# Allegro board Swan Feather PCB v3.0.brd (continued)
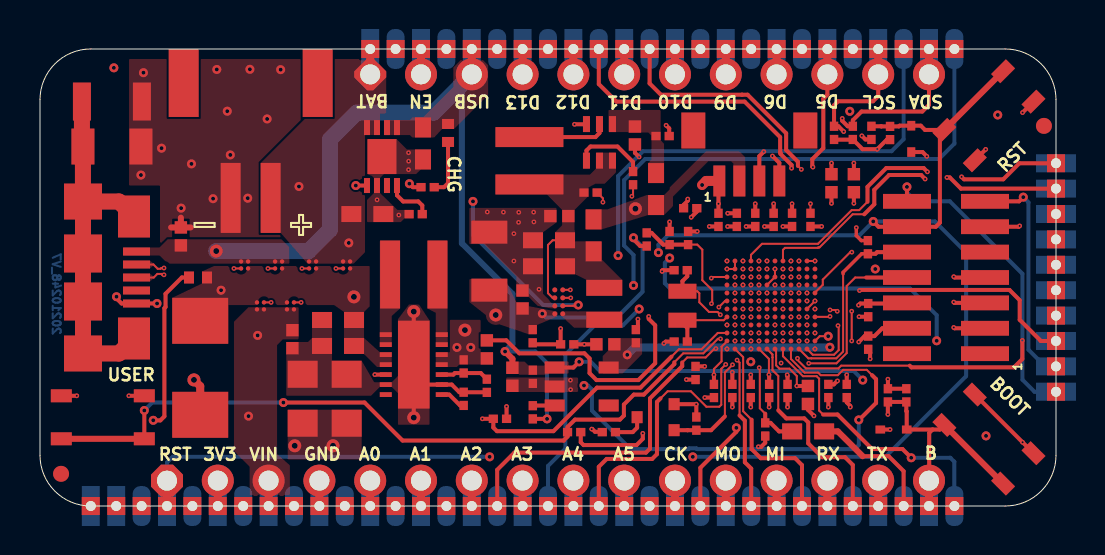
[diagram p0: board, top side]
## Routing (per net, layer and track width the routed paths; a pad name or vN(x,y) marks a point on that pad's centre or on a via; arc(x,y) is an arc through that point) (continued)
A4: length 29.3
  TOP w0.4: J2.9 PAD23.1
  GND w0.087: v3(35.04,13.36) 35.46,13.36 35.55,13.27 v1(35.55,11.86)
  GND w0.4: J2.9 PAD23.1
  INT1 w0.087: v4(33.09,14.35) 33.11,14.38 34.98,14.38 35.17,14.19 35.17,13.49 v3(35.04,13.36)
  INT1 w0.4: J2.9 PAD23.1
  INT2 w0.087: v4(33.09,14.35) 32.77,14.04 32.25,14.04 31.91,13.69
  INT2 w0.2: v4(26.8,5.43) 27.83,5.43 30.03,7.63 30.03,8.84 31.91,10.71 31.91,13.69
  INT2 w0.4: J2.9 PAD23.1
  POWER w0.2: v4(26.8,5.43) 26.67,5.3 J2.9
  POWER w0.4: J2.9 PAD23.1
  BOTTOM w0.4: J2.9 PAD23.1
A5: length 25.1
  TOP w0.4: J2.10 PAD27.1
  GND w0.4: J2.10 PAD27.1
  INT1 w0.087: v4(33.19,12.19) 33.18,12.2 33.18,12.69 33.37,12.88 33.65,12.88 34.22,12.31 34.22,11.64 35.05,10.81 35.36,10.81 35.95,11.4 v3(35.95,11.46)
  INT1 w0.4: J2.10 PAD27.1
  INT2 w0.087: 32.16,8.33 33.05,9.22 33.05,11.18 33.05,11.18 33.05,12.07 33.16,12.19 v4(33.19,12.19)
  INT2 w0.2: 32.16,8.33 31.99,8.16 31.99,6.58 29.21,3.81 J2.10
  INT2 w0.4: J2.10 PAD27.1
  POWER w0.4: J2.10 PAD27.1
  BOTTOM w0.4: J2.10 PAD27.1
A6: length 15.6
  INT1 w0.087: v3(36.35,10.66) 36.09,10.4 34.69,10.4 34.06,11.02 33.81,11.02 33.79,11.04 33.4,11.04 33.4,11.05 v4(33.37,11.05)
  INT2 w0.087: v4(33.37,11.05) 33.37,11 33.27,10.9 33.27,9.07 32.34,8.15 32.34,6.19 32.34,6.19
  INT2 w0.2: 32.34,6.19 30.48,4.33 PAD29.1
A7: length 17.1
  TOP w0.2: PAD33.1 33.02,1.92 34.82,3.71 v2(34.82,3.91)
  INT1 w0.087: v4(33.46,11.79) 33.47,11.79 33.5,11.76 33.82,11.76 34.22,11.35 34.22,11.1 34.68,10.65 35.54,10.65 v3(35.55,10.66)
  INT2 w0.087: 32.64,6.19 32.64,7.94 33.96,9.26 33.96,11.22 33.46,11.72 v4(33.46,11.79)
  INT2 w0.2: v2(34.82,3.91) 34.82,4.09 33.54,5.37 33.14,5.37 32.64,5.87 32.64,6.19
BOOT: length 30.8
  TOP w0.2: J2.16 44.46,1.28 44.46,3.66 44.63,3.83 ; PB1.2 44.99,3.83 44.63,3.83 ; v3(42.39,4.58) 42.39,5.2 C35.1 R40.2 43.32,4.75 43.34,4.73 TVS2.1 44.63,3.83
  TOP w0.3: PB1.1 PB1.2
  TOP w0.4: J2.16 PAD51.1
  GND w0.4: J2.16 PAD51.1
  INT1 w0.087: v2(35.54,7.22) 35.55,7.23 35.55,7.69 v3(35.55,8.26) ; v4(39.8,6.99) 39.8,7.14 40.53,7.88 40.97,7.88
  INT1 w0.2: v3(42.39,4.58) 42.39,7.47 41.99,7.88 40.97,7.88
  INT1 w0.4: J2.16 PAD51.1
  INT2 w0.087: v4(39.8,6.99) 38.07,6.99 38.07,6.99 35.73,6.99 35.55,7.17 35.55,7.21 v2(35.54,7.22)
  INT2 w0.4: J2.16 PAD51.1
  POWER w0.4: J2.16 PAD51.1
  BOTTOM w0.4: J2.16 PAD51.1
CS: length 40.3
  TOP w0.1: U6.A4 37.55,7.35 38.23,6.67 38.91,6.67 39.04,6.54 39.89,6.54 40.16,6.81 41.34,6.81 41.6,6.54 ; 40.96,4.31 v2(40.94,4.31)
  TOP w0.2: 40.96,4.31 41.8,5.15 41.8,6.34 41.6,6.54
  INT2 w0.2: PAD65.1 15.24,1.64 17.09,3.49 19.03,3.49 20.89,5.34 26.02,5.34 26.71,6.03 v2(27.2,6.03)
  BOTTOM w0.2: v2(27.2,6.03) 27.4,6.03 27.6,5.83 27.6,4.77 29.53,2.85 32.42,2.85 32.46,2.89 32.82,2.89 32.85,2.85 40.74,2.85 40.94,3.05 v2(40.94,4.31)
CTS: length 6.5
  TOP w0.2: PAD49.1 43.18,1.74 42.43,2.49 41.13,2.49 41.13,2.49
  TOP w0.3: 41.13,2.49 39.89,3.73 R38.2
CTS2: length 33.3
  INT1 w0.087: v3(36.75,9.06) 36.75,9 36.51,8.76 36.51,8.05 37.33,7.22 37.33,6.9 37.16,6.73 33.29,6.73 31.86,8.16 31.86,8.24
  INT1 w0.2: PAD22.1 25.4,21.01 24.83,20.44 22.82,20.44 22.48,20.09 22.48,11.42 25.46,8.44 31.66,8.44 31.86,8.24
CTS3: length 17.8
  INT1 w0.087: v4(39.81,11.35) 39.44,11.35 38.59,10.5 38.25,10.5 38.16,10.41 37.79,10.41 v3(37.55,10.66)
  INT1 w0.2: v4(35.55,17.5) 35.56,17.51 PAD38.1
  INT2 w0.087: 38.95,15.34 38.95,15.31 39.81,14.45 v4(39.81,11.35)
  INT2 w0.2: 38.95,15.34 38.95,15.59 38.94,15.6 38.94,17.19 38.63,17.5 v4(35.55,17.5)
D0: length 40.3
  TOP w0.1: U6.H1 38.75,10.67 39.14,11.07 39.14,11.33 40.51,12.7 v3(40.59,12.7)
  INT1 w0.087: v3(40.59,12.7) 40.6,12.71 40.97,12.71
  INT1 w0.2: v4(40.64,3.42) 18.47,3.42 17.78,2.73 PAD9.1 ; v4(42.31,12.13) 42.12,12.32 41.57,12.32 41.18,12.71 40.97,12.71
  INT2 w0.2: v4(42.31,12.13) 42.5,11.94 42.5,5.17 40.75,3.42 v4(40.64,3.42)
D1: length 39.8
  GND w0.087: v3(38.46,11.81) 38.42,11.77 38.42,11.74 38.35,11.67 v1(38.35,10.66)
  INT1 w0.087: 40.97,13.01 40.95,13.01 40.93,13.03 39.68,13.03 v3(38.46,11.81)
  INT1 w0.2: 40.97,13.01 41.4,13.01 41.78,12.63 42.71,12.63 42.91,12.43 v4(42.91,12.13) ; PAD12.1 20.36,0.04 20.36,2.31 20.94,2.89 40.82,2.89 v4(41.36,3.43)
  INT2 w0.2: v4(42.91,12.13) 42.91,4.98 v4(41.36,3.43)
D2: length 21.6
  TOP w0.1: v3(33.8,7.87) 33.73,7.87 33.28,7.43 32.36,7.43 32.11,7.18
  TOP w0.2: 32.11,7.18 32.11,7 30.5,5.39 30.5,2.87 30.3,2.67 23.72,2.67 22.86,1.81 PAD18.1
  GND w0.087: v1(36.75,11.06) 36.75,10.6 36.32,10.17 36.32,9.82 35.16,8.66 v3(35.16,8.66)
  INT1 w0.087: v3(33.8,7.87) 34.09,7.87 34.88,8.66 v3(35.16,8.66)
D3: length 21
  INT1 w0.087: 31.91,9.85 32.02,9.74 33.89,9.74 34.32,9.3 35.25,9.3 35.36,9.19 35.66,9.19 36.82,10.35 36.82,10.72 v3(37.15,11.06)
  INT1 w0.2: v2(29.96,9.85) 31.91,9.85
  BOTTOM w0.2: v2(29.96,9.85) 29.14,9.03 27.73,9.03 26.27,7.58 26.27,2.87 25.4,2 PAD21.1
D4: length 15.5
  TOP w0.1: 31.03,5.38 31.38,5.74 32.55,5.74 33.32,4.97 33.96,4.97 34.06,5.07 34.06,6.86 v1(34.29,7.08)
  TOP w0.2: PAD25.1 27.94,1.96 28.33,2.36 30.61,2.36 30.85,2.6 30.85,5.21 31.03,5.38
  GND w0.087: v1(34.29,7.08) 34.42,7.22 34.42,7.47 34.59,7.64 34.59,7.99 34.47,8.11 34.47,8.38 v1(34.75,8.66)
D5: length 18.3
  TOP w0.2: J3.10 39.37,20.58 39.17,20.37 39.17,17.9 38.61,17.35 38.61,16.98 v3(38.64,16.95)
  TOP w0.4: J3.10 PAD44.1
  GND w0.087: v3(37.98,13.34) 37.15,12.5 v1(37.15,11.86)
  GND w0.4: PAD44.1 J3.10
  INT1 w0.087: v3(37.98,13.34) 38.64,14 38.64,15.34
  INT1 w0.2: 38.64,15.34 v3(38.64,16.95)
  INT1 w0.4: PAD44.1 J3.10
  INT2 w0.4: PAD44.1 J3.10
  POWER w0.4: PAD44.1 J3.10
  BOTTOM w0.4: PAD44.1 J3.10
D6: length 26.8
  TOP w0.4: J3.9 PAD40.1
  GND w0.087: v4(36.75,9.81) v1(36.75,10.26)
  GND w0.4: PAD40.1 J3.9
  INT1 w0.4: PAD40.1 J3.9
  INT2 w0.087: 40.85,15.34 40.85,15.34 40.35,14.84 40.35,10.31 39.84,9.81 v4(36.75,9.81)
  INT2 w0.2: 40.85,15.34 40.92,15.41 40.92,17.55 40.03,18.44 37.09,18.44 36.83,18.7 J3.9
  INT2 w0.4: PAD40.1 J3.9
  POWER w0.4: PAD40.1 J3.9
  BOTTOM w0.4: PAD40.1 J3.9
D7: length 12.4
  INT1 w0.087: v3(36.35,12.26) 36.35,13.1 37.05,13.8 37.05,15.34
  INT1 w0.2: 37.05,15.34 37.05,17.31 40.64,20.89 PAD46.1
D8: length 11.9
  INT1 w0.087: 36.67,15.34 36.67,15.25 36.31,14.9 36.31,13.3 35.95,12.94 v3(35.95,11.86)
  INT1 w0.2: 36.67,15.34 36.67,19.1 38.1,20.53 PAD42.1
D9: length 25.6
  TOP w0.4: J3.8 PAD36.1
  GND w0.087: v4(39.92,10.34) 39.66,10.34 39.18,9.86 v1(38.75,9.86)
  GND w0.4: PAD36.1 J3.8
  INT1 w0.4: PAD36.1 J3.8
  INT2 w0.087: v4(39.92,10.34) 40.15,10.56 40.15,14.92 39.99,15.08 39.99,15.34
  INT2 w0.2: J3.8 34.32,21.56 34.32,18.38 34.73,17.97 39.63,17.97 39.99,17.61 39.99,15.34
  INT2 w0.4: PAD36.1 J3.8
  POWER w0.4: PAD36.1 J3.8
  BOTTOM w0.4: PAD36.1 J3.8
D10: length 21.2
  TOP w0.4: J3.7 PAD32.1
  GND w0.4: PAD32.1 J3.7
  INT1 w0.087: 35.23,15.34 36.07,14.5 36.07,13.4 35.55,12.88 v3(35.55,11.46)
  INT1 w0.2: J3.7 31.75,18.1 32.37,17.47 34.81,17.47 35.1,17.19 35.1,15.47 35.23,15.34
  INT1 w0.4: PAD32.1 J3.7
  INT2 w0.4: PAD32.1 J3.7
  POWER w0.4: PAD32.1 J3.7
  BOTTOM w0.4: PAD32.1 J3.7
D11: length 21.5
  TOP w0.4: J3.6 PAD28.1
  GND w0.4: PAD28.1 J3.6
  INT1 w0.087: 32.16,15.1 35.01,15.1 35.36,14.75 35.36,13.01 35.15,12.8 v3(35.15,12.26)
  INT1 w0.2: 32.16,15.1 31.76,15.1 29.21,17.65 J3.6
  INT1 w0.4: PAD28.1 J3.6
  INT2 w0.4: PAD28.1 J3.6
  POWER w0.4: PAD28.1 J3.6
  BOTTOM w0.4: PAD28.1 J3.6
D12: length 25.7
  TOP w0.4: J3.5 PAD24.1
  GND w0.087: v4(36.3,11.27) 36.22,11.27 36.01,11.06 v1(35.95,11.06)
  GND w0.4: PAD24.1 J3.5
  INT1 w0.4: PAD24.1 J3.5
  INT2 w0.087: v4(36.3,11.27) 36.3,11.31 36.11,11.5 36.11,14.29 35.32,15.08 32.19,15.08
  INT2 w0.2: J3.5 27.12,21.14 27.81,21.14 28.5,20.45 29.54,20.45 30.48,19.51 30.48,16.02 31.42,15.08 32.19,15.08
  INT2 w0.4: PAD24.1 J3.5
  POWER w0.4: PAD24.1 J3.5
  BOTTOM w0.4: PAD24.1 J3.5
D13: length 28.4
  TOP w0.4: J3.4 PAD20.1
  GND w0.087: v1(35.95,10.26) 35.85,10.16 v3(35.37,10.16)
  GND w0.4: PAD20.1 J3.4
  INT1 w0.087: v3(35.37,10.16) 34.69,10.16 34.32,10.53 33.03,10.53 32.63,10.93 32.16,10.93 32.16,10.98 31.98,11.15 31.86,11.15
  INT1 w0.2: 31.86,11.15 31.52,11.15 30.16,12.5 30.16,13.66 29.2,14.62 29.2,17.23 28.91,17.52 28.91,20.19 28.51,20.59 25.71,20.59 v4(25.67,20.63)
  INT1 w0.4: PAD20.1 J3.4
  INT2 w0.2: J3.4 24.13,20.9 24.4,20.63 v4(25.67,20.63)
  INT2 w0.4: PAD20.1 J3.4
  POWER w0.4: PAD20.1 J3.4
  BOTTOM w0.4: PAD20.1 J3.4
D14: length 8.7
  TOP w0.1: v1(34.85,7.3) 34.98,7.17 34.98,4.53
  TOP w0.2: PAD37.1 35.56,1.87 35.24,2.19 35.24,4.27 34.98,4.53
  GND w0.087: v1(35.15,8.26) 35.15,7.59 v1(34.85,7.3)
D15: length 10.2
  TOP w0.1: 35.58,4.32 35.16,4.74 35.16,7.45 U6.A11
  TOP w0.2: PAD41.1 38.1,2.05 37.76,2.39 36.04,2.39 35.58,2.85 35.58,4.32
DISCHRG: length 17.4
  TOP w0.2: R8.1 22.34,8.29 23.32,8.29 23.96,7.64 27.22,7.64 27.48,7.38 27.48,6.64 27.83,6.3 29.92,6.3 30.76,7.14 30.76,9.04 30.44,9.36 v3(30.44,9.48)
  INT1 w0.087: v3(35.15,9.06) 33.31,9.06 32.88,9.48
  INT1 w0.2: v3(30.44,9.48) 32.88,9.48
EN: length 29.3
  TOP w0.1: v2(26.91,10.05) 26.87,10.01 U1.B1
  TOP w0.2: v3(26.03,8.87) C8.1 24.71,8.09 R2.1
  TOP w0.4: J3.2 PAD14.1
  GND w0.4: PAD14.1 J3.2
  INT1 w0.1: v2(26.91,10.05) 26.24,10.05 26.03,9.85 v3(26.03,8.87)
  INT1 w0.2: J3.2 19.05,17.51 19.77,16.79 21.31,16.79 21.65,16.45 v2(21.65,15.24)
  INT1 w0.4: PAD14.1 J3.2
  INT2 w0.4: PAD14.1 J3.2
  POWER w0.4: PAD14.1 J3.2
  BOTTOM w0.2: v2(26.91,10.05) 25.15,10.05 21.65,13.56 v2(21.65,15.24)
  BOTTOM w0.4: PAD14.1 J3.2
JTDI: length 10.1
  TOP w0.1: U6.A3 38.42,7.39 38.57,7.39 38.57,7.39 39.81,7.39 40.16,7.73 40.16,11.61
  TOP w0.17: R30.1 41.08,12.62 40.16,11.69 40.16,11.61
  TOP w0.2: R30.1 41.77,12.62 41.86,12.7 J5.10
JTDO: length 11.6
  TOP w0.1: 41.31,11.43 40.76,11.43 40.34,11 40.34,7.65 39.82,7.14 v1(38.44,7.14)
  TOP w0.2: J5.8 41.31,11.43
  GND w0.087: v1(38.44,7.14) 37.07,7.14 v3(37.06,7.15)
  INT1 w0.087: v3(37.06,7.15) 37.05,7.15 v3(35.95,8.26)
LED: length 6.9
  TOP w0.1: v1(34.63,7.06) 34.24,6.68 34.24,4.48
  TOP w0.2: 34.24,4.48 33.55,3.79 R28.1 32.38,3.79 32.38,3.79 Q1.1
  GND w0.087: v1(34.63,7.06) 34.59,7.11 34.59,7.39 34.85,7.66 34.85,8.15 v1(34.75,8.26)
MISO: length 25.2
  TOP w0.4: J2.13 PAD39.1
  GND w0.4: J2.13 PAD39.1
  INT1 w0.087: v3(37.95,10.66) 39.14,11.85 40.97,11.85
  INT1 w0.2: v2(41.76,11.86) 41.75,11.85 40.97,11.85
  INT1 w0.4: J2.13 PAD39.1
  INT2 w0.2: v2(41.76,11.86) 41.76,11.68 42.14,11.31 42.14,6.11 38.63,2.61 38.04,2.61 36.83,1.4 J2.13
  INT2 w0.4: J2.13 PAD39.1
  POWER w0.4: J2.13 PAD39.1
  BOTTOM w0.4: J2.13 PAD39.1
MOSI: length 27
  TOP w0.4: J2.12 PAD35.1
  GND w0.4: J2.12 PAD35.1
  INT1 w0.087: v3(37.95,11.06) 38.05,11.06 39.28,12.29 40.97,12.29
  INT1 w0.2: v4(41.03,12.25) 41.01,12.25 40.97,12.29
  INT1 w0.4: J2.12 PAD35.1
  INT2 w0.2: J2.12 34.29,2.22 34.98,2.91 38.45,2.91 40.71,5.17 40.71,6.48 41.03,6.8 v4(41.03,12.25)
  INT2 w0.4: J2.12 PAD35.1
  POWER w0.4: J2.12 PAD35.1
  BOTTOM w0.4: J2.12 PAD35.1
NEN_3V3_OUT: length 23
  TOP w0.1: U6.C12 33.89,8.66 33.07,7.84 31.94,7.84 31.57,7.47
  TOP w0.2: v1(22.12,4.36) v4(22.67,4.36) 22.67,3.92 22.85,3.74 25.67,3.74 27.85,5.92 30.02,5.92 31.57,7.47 ; U2.12 v1(16.74,6.57)
  GND w0.2: v1(22.12,4.36) v4(22.67,4.36) ; v4(16.74,6.13) v1(16.74,6.57)
  INT1 w0.2: v4(22.67,4.36) 20.34,4.36 18.58,6.13 v4(16.74,6.13)
Net_118:
  vias: v1(35.55,9.86)
Net_119:
  vias: v1(35.15,9.86)
QCLK: length 15.8
  INT1 w0.087: v3(37.15,11.46) 37.39,11.21 37.65,11.21 38.16,11.72 38.16,12.78 38.69,13.31 40.97,13.31
  INT1 w0.2: PAD60.1 50.02,12.06 48.77,13.31 40.97,13.31
QCS: length 18.2
  TOP w0.1: v1(37.87,7.39) 37.87,7.31 38.3,6.88 39.92,6.88 40.06,7.02 43.49,7.02
  TOP w0.2: 43.49,7.02 43.57,6.94 48.7,6.94 49.12,7.35 v3(49.12,8.28)
  GND w0.087: v1(37.87,7.39) 37.69,7.58 37.69,8.52 v1(37.55,8.66)
  INT1 w0.2: PAD59.1 49.32,10.79 49.12,10.6 v3(49.12,8.28)
QEN: length 14.3
  TOP w0.1: U6.A5 37.15,7.49 38.15,6.49 38.83,6.49 38.96,6.37 38.96,4.78 39.16,4.58
  TOP w0.2: 39.16,4.58 39.88,4.58 41.6,2.85 43.12,2.85 v2(43.56,2.41)
  BOTTOM w0.2: PAD53.1 45.72,0 45.72,2.21 45.52,2.41 v2(43.56,2.41)
QIO0: length 16.9
  TOP w0.1: U6.M5 37.15,12.81 37.25,12.91 38.89,12.91 38.92,12.93 38.97,12.93 40.63,14.59 41.22,14.59
  TOP w0.2: 41.22,14.59 41.71,15.09 41.71,15.82 42.45,16.56 44.06,16.56 v1(44.26,16.36) ; PAD64.1 48.97,17.14 48.16,16.34 46.2,16.34 v1(46.08,16.46)
  GND w0.2: v1(44.26,16.36) 44.52,16.09 45.61,16.09 45.99,16.46 v1(46.08,16.46)
QIO1: length 18.2
  TOP w0.1: 41.37,15.22 40.96,14.8 40.58,14.8 38.9,13.11 36.1,13.11 35.55,12.56 U6.M9
  TOP w0.2: v1(45.35,16.43) 45.49,16.43 46.05,15.88 PAD63.1 ; v1(44.37,16.72) 44.18,16.9 42.31,16.9 41.37,15.97 41.37,15.22
  GND w0.2: v1(45.35,16.43) 44.65,16.43 v1(44.37,16.72)
QIO2: length 17.2
  INT1 w0.087: 40.97,11.42 40.51,11.42 39.1,10.01 37.79,10.01 v3(37.15,10.66)
  INT1 w0.2: v4(47.07,14.59) 47.5,14.59 47.51,14.61 PAD62.1 ; 40.97,11.42 46.3,11.42 v4(47.07,12.19)
  INT2 w0.2: v4(47.07,12.19) v4(47.07,14.59)
QIO3: length 15.1
  INT1 w0.087: v3(37.55,11.46) 37.55,11.51 37.97,11.93 37.97,12.87 38.74,13.64 40.97,13.64
  INT1 w0.2: PAD61.1 49.71,13.34 49.08,13.97 42.61,13.97 42.28,13.64 40.97,13.64
RST#: length 94.6
  TOP w0.2: C34.1 42.06,18.99 42.06,18.99 R29.1 42.94,18.99 42.98,19.02 TVS3.1 44.04,19.02 44.25,18.81 PB2.4 44.99,18.59 44.99,14.17 44.79,13.97 J5.12 41.93,13.97 v2(41.66,14.23)
  TOP w0.3: PB2.4 PB2.3
  TOP w0.4: J2.1 PAD3.1
  GND w0.087: v3(32.81,11.34) 33.05,11.11 33.05,10.92 33.23,10.73 33.5,10.73 33.64,10.86 34.54,10.86 v1(34.75,10.66)
  GND w0.4: J2.1 PAD3.1
  INT1 w0.2: v2(32.64,2.46) v2(22.48,2.46) ; v3(32.81,11.34) 32.7,11.45 31.98,11.45 31.75,11.45 30.92,12.28 v2(30.92,12.68)
  INT1 w0.4: J2.1 PAD3.1
  INT2 w0.4: J2.1 PAD3.1
  POWER w0.4: J2.1 PAD3.1
  BOTTOM w0.2: v2(22.48,2.46) 22.48,2.46 22.12,2.46 22.12,2.46 6.63,2.46 6.35,2.18 J2.1 ; v2(30.92,12.68) 30.92,13.07 31.39,13.54 40.97,13.54 v2(41.66,14.23) 44.74,14.23 46.3,12.67 46.3,6.49 42.27,2.46 v2(32.64,2.46)
  BOTTOM w0.4: J2.1 PAD3.1
RTS: length 10.8
  TOP w0.1: U6.A7 36.62,7.58 36.62,7.44 36.63,7.43 36.63,6.79 36.91,6.51 36.91,4.79
  TOP w0.2: PAD45.1 40.64,2.06 40.25,2.44 39.11,2.44 38.41,3.13 38.41,4.18 38.21,4.38 37.32,4.38 36.91,4.79
RTS2: length 31.4
  INT1 w0.087: v3(36.75,8.66) 36.75,8.06 37.5,7.32 37.5,6.83 37.23,6.56 32.99,6.56 31.86,7.7
  INT1 w0.2: 31.86,7.7 31.45,8.1 25.32,8.1 22.13,11.29 22.13,20.22 22.86,20.95 PAD19.1
RTS3: length 22
  GND w0.087: v4(37.36,7.91) 37.36,7.93 37.35,7.94 37.35,8.06 v1(37.15,8.26)
  INT2 w0.087: 38.56,15.34 38.56,11.91 37.67,11.03 37.44,11.03 36.41,10 36.41,9.11 37.36,8.15 v4(37.36,7.91)
  INT2 w0.2: 38.56,15.34 38.56,17 38.47,17.09 33.57,17.09 33.02,17.64 PAD34.1
RX: length 24.9
  TOP w0.1: v3(40.59,9.74) v3(40.59,8.26)
  TOP w0.4: J2.14 PAD43.1
  GND w0.4: J2.14 PAD43.1
  INT1 w0.087: v3(37.15,9.06) 37.51,9.42 39.09,9.42 39.67,9.99 40.01,9.99 40.26,9.74 v3(40.59,9.74) ; 40.97,8.67 40.97,8.67 40.59,8.29 v3(40.59,8.26)
  INT1 w0.2: J2.14 39.37,1.96 39.85,2.43 41.25,2.43 42.78,3.97 42.78,8.39 42.5,8.67 40.97,8.67
  INT1 w0.4: J2.14 PAD43.1
  INT2 w0.4: J2.14 PAD43.1
  POWER w0.4: J2.14 PAD43.1
  BOTTOM w0.4: J2.14 PAD43.1
RX0: length 28.6
  TOP w0.1: v3(39.86,9.74) 39.8,9.81 v1(39.5,9.81)
  TOP w0.2: v2(49.16,15.45) 48.95,15.24 J5.13
  GND w0.087: v1(38.35,9.46) 39.08,9.46 39.39,9.77 39.47,9.77 v1(39.5,9.81)
  INT1 w0.087: 40.97,10.73 40.88,10.64 40.88,9.64 40.65,9.4 40.3,9.4 39.98,9.72 39.88,9.72 39.87,9.74 v3(39.86,9.74)
  INT1 w0.2: PAD56.1 49.17,6.99 47.83,8.32 47.83,10.74 47.53,11.05 41.29,11.05 40.97,10.73
  BOTTOM w0.2: v2(49.16,15.45) 49.42,15.19 49.42,7.82 50.26,6.99 PAD56.1
RX2: length 32.1
  INT1 w0.087: v3(36.35,9.46) 36.35,8.93 35.99,8.57 35.46,8.57 34.43,7.55 33.75,7.55 32.18,9.12 32.16,9.12
  INT1 w0.2: 32.16,9.12 30.03,9.12 29.22,9.92 29.22,11.52 28.01,12.74 v4(28.01,14.77)
  INT2 w0.2: PAD10.1 17.78,16.17 18.26,15.69 27.09,15.69 v4(28.01,14.77)
RX3: length 16.5
  TOP w0.1: v3(38.07,16.84) 37.9,17.01
  TOP w0.2: 37.9,17.01 37.9,17.22 37.31,17.81 37.31,18.65 35.38,20.57 35.1,20.57 31.04,20.57 30.48,21.14 PAD26.1
  INT1 w0.087: v3(37.55,12.26) 37.55,13.25 38.07,13.77 38.07,15.34
  INT1 w0.2: v3(38.07,16.84) 38.07,15.34
SCK: length 21.5
  TOP w0.4: J2.11 PAD31.1
  GND w0.4: J2.11 PAD31.1
  INT1 w0.087: v4(38.06,6.63) 38.06,6.67 37.77,6.96 37.77,8.44 37.55,8.66 v3(37.15,8.66)
  INT1 w0.4: J2.11 PAD31.1
  INT2 w0.087: v4(38.06,6.63) 38.16,6.53 38.16,6.19
  INT2 w0.2: J2.11 31.75,2.97 32.23,3.45 37.67,3.45 38.16,3.94 38.16,6.19
  INT2 w0.4: J2.11 PAD31.1
  POWER w0.4: J2.11 PAD31.1
  BOTTOM w0.4: J2.11 PAD31.1
SCL: length 40.3
  TOP w0.2: J6.4 36.97,17.16 v1(36.62,17.51) ; v1(40.19,18.73) 39.92,18.99 R42.1 39.7,20.04 39.9,20.24 41.65,20.24 41.91,20.5 J3.11
  TOP w0.4: J3.11 PAD48.1
  GND w0.087: v4(36.01,9.05) 36,9.05 35.96,9.01 35.9,9.01 v1(35.55,8.66)
  GND w0.2: v1(36.62,17.51) 36.56,17.57 36.56,18.4 37.27,19.12 39.8,19.12 v1(40.19,18.73)
  GND w0.4: PAD48.1 J3.11
  INT1 w0.4: PAD48.1 J3.11
  INT2 w0.087: v4(36.01,9.05) 36.01,7.97 36.63,7.35 39.44,7.35 40.54,8.45 40.54,14.71 40.78,14.95 40.97,14.95
  INT2 w0.2: J3.11 41.91,15.19 41.67,14.95 40.97,14.95
  INT2 w0.4: PAD48.1 J3.11
  POWER w0.4: PAD48.1 J3.11
  BOTTOM w0.4: PAD48.1 J3.11
SCL2: length 31.8
  INT1 w0.087: v3(35.95,9.86) 35.79,9.7 34.44,9.7 34.07,10.08 32.37,10.08 31.96,10.49
  INT1 w0.2: 31.96,10.49 31.01,10.49 28.97,12.53 v2(28.9,12.53)
  BOTTOM w0.2: PAD50.1 43.18,18.35 42.58,17.75 30.15,17.75 28.9,16.5 v2(28.9,12.53)
SCL3: length 27.8
  GND w0.087: v1(34.75,11.06) 34.75,11.09 34.66,11.18 33.99,11.18 v3(33.91,11.27)
  INT1 w0.087: 32.24,12.4 33.26,11.38 33.79,11.38 v3(33.91,11.27)
  INT1 w0.2: v2(31.48,12.4) 32.24,12.4
  INT2 w0.2: v2(44.83,8.26) 47.28,8.26 49.18,10.16 50.16,10.16 PAD58.1
  BOTTOM w0.2: v2(31.48,12.4) 31.24,12.17 31.24,11.14 31.51,10.88 43.51,10.88 44.83,9.55 v2(44.83,8.26)
SDA: length 43.4
  TOP w0.2: v1(40.11,19.39) 40.11,19.27 40.38,18.99 R43.1 40.64,19.3 41.08,19.73 44.12,19.73 44.45,20.07 J3.12 ; J6.3 35.97,17.5 v1(36.19,17.72)
  TOP w0.4: J3.12 PAD52.1
  GND w0.087: v4(35.89,7.61) 35.8,7.61 v1(35.55,7.86)
  GND w0.2: v1(36.19,17.72) 36.26,17.79 36.26,18.53 37.15,19.42 40.08,19.42 v1(40.11,19.39)
  GND w0.4: PAD52.1 J3.12
  INT1 w0.4: PAD52.1 J3.12
  INT2 w0.087: v4(35.89,7.61) 36.3,7.19 36.55,7.19 36.56,7.18 39.51,7.18 40.71,8.38 40.71,13.4 40.91,13.61 40.97,13.61
  INT2 w0.2: 40.97,13.61 43.88,13.61 44.45,14.18 J3.12
  INT2 w0.4: PAD52.1 J3.12
  POWER w0.4: PAD52.1 J3.12
  BOTTOM w0.4: PAD52.1 J3.12
SDA2: length 34
  INT1 w0.087: 31.91,10.16 31.91,10.15 32.03,10.15 32.28,9.91 34,9.91 34.42,9.48 35.48,9.48 35.51,9.46 v3(35.55,9.46)
  INT1 w0.2: 31.91,10.16 30.55,10.16 v2(29.68,11.03)
  BOTTOM w0.2: v2(29.68,11.03) 29.68,12.56 29.2,13.03 29.2,16.3 30.26,17.36 44.95,17.36 45.72,18.13 PAD54.1
SDA3: length 15
  TOP w0.2: v1(40.98,10.78) 41.01,10.81 48.47,10.81 48.99,10.29 48.99,9.31 50.04,8.26 PAD57.1
  GND w0.087: v1(38.35,9.06) 39.58,9.06 40.11,9.58 40.11,9.91 40.97,10.77
  GND w0.2: 40.97,10.77 v1(40.98,10.78)
SWCLK: length 7.2
  TOP w0.1: v1(39.9,9.02) 39.93,8.99 39.93,7.8 39.7,7.57 38.64,7.57 38.35,7.86 U6.A2
  TOP w0.2: J5.6 43.32,10.13 R37.2 41.01,10.13 v1(40.93,10.05)
  GND w0.087: v1(39.9,9.02) 39.9,9.14 40.27,9.52 40.27,9.84 40.48,10.05 v1(40.93,10.05)
SWDIO: length 6.6
  TOP w0.1: v1(40.94,8.21) 40.97,8.24
  TOP w0.2: J5.4 42.11,8.89 41.72,8.5 R31.1 41.23,8.5 40.97,8.24
  GND w0.087: v1(37.95,8.26) 37.95,7.76 38.27,7.44 40.01,7.44 40.4,7.84 40.6,7.84 40.94,8.17 v1(40.94,8.21)
TX: length 21.3
  TOP w0.4: J2.15 PAD47.1
  GND w0.4: J2.15 PAD47.1
  INT1 w0.087: v3(37.55,9.06) 37.73,9.24 39.95,9.24 40.14,9.04 40.97,9.04
  INT1 w0.2: J2.15 41.91,2.47 43.11,3.67 43.11,8.56 42.62,9.04 40.97,9.04
  INT1 w0.4: J2.15 PAD47.1
  INT2 w0.4: J2.15 PAD47.1
  POWER w0.4: J2.15 PAD47.1
  BOTTOM w0.4: J2.15 PAD47.1
TX0: length 33.3
  TOP w0.1: U6.E1 38.75,9.46 39.48,9.46 v3(39.5,9.48)
  TOP w0.2: J5.14 43.35,15.24 v2(43.35,15.96)
  INT1 w0.087: v3(39.5,9.48) 39.94,9.48 40.2,9.22 40.81,9.22 40.97,9.38
  INT1 w0.2: 40.97,9.38 41.18,9.59 41.18,10.51 41.38,10.71 46.98,10.71 47.31,10.38 47.31,6.55 47.51,6.35 49.1,6.35 49.73,5.71 PAD55.1
  BOTTOM w0.2: v2(43.35,15.96) 43.35,15.69 43.79,15.24 45.49,15.24 49.12,11.61 49.12,6.32 49.72,5.71 PAD55.1
TX2: length 27.9
  INT1 w0.087: v3(35.95,10.66) 35.95,10.67 36.2,10.93 36.49,10.93 36.6,10.82 36.6,10.56 36.18,10.14 35.88,10.14 35.66,9.91 34.48,9.91 34.15,10.24 34.14,10.24 34.12,10.26 32.54,10.26 32,10.8 31.86,10.8
  INT1 w0.2: v4(28.8,15.95) 28.84,15.91 28.84,13.24 31.28,10.8 31.86,10.8
  INT2 w0.2: v4(28.8,15.95) 28.74,16.01 21.48,16.01 20.32,17.16 PAD15.1
TX3: length 19
  TOP w0.2: PAD30.1 27.94,21.11 28.82,20.23 35.23,20.23 37.01,18.45 37.01,17.68 37.03,17.66 37.03,17.61 37.58,17.06 v3(37.58,16.9)
  INT1 w0.087: v3(37.55,11.86) 37.55,11.91 37.26,12.2 37.26,14.61 37.58,14.92 37.58,15.34
  INT1 w0.2: v3(37.58,16.9) 37.58,15.34
USB_DM: length 56.7
  TOP w0.1: J1.2 5.67,12.08 5.89,11.87 6.03,11.87 6.07,11.91 v3(6.2,11.91)
  INT1 w0.1: v3(38.75,8.66) 38.77,8.68 38.8,8.68 38.8,5.97 37.9,5.08 21.48,5.08 19.26,7.29 18.94,7.29 8.61,7.29 7.02,8.88 7.02,11.62 6.78,11.86 6.47,11.86 6.42,11.91 v3(6.2,11.91) 5.94,11.91 5.89,11.86 3.31,11.86 3.04,11.59 3.04,1.14 2.54,0.64 PAD2.1
USB_DP: length 57.7
  TOP w0.1: J1.3 5.69,11.43 5.87,11.61 6.06,11.61 6.11,11.57 v3(6.2,11.57)
  INT1 w0.1: v3(38.35,8.66) 38.35,8.8 38.48,8.93 38.88,8.93 39.04,8.77 39.04,5.87 38,4.84 21.38,4.84 19.17,7.05 18.89,7.05 8.51,7.05 6.78,8.78 6.78,11.52 6.68,11.62 6.44,11.62 6.4,11.59 6.22,11.59 v3(6.2,11.57) 6.18,11.59 5.93,11.59 5.9,11.62 3.41,11.62 3.28,11.49 3.28,1.16 3.81,0.64 PAD1.1
USB_SHIELD: length 18.3
  TOP w0.8: J1.10 J1.8 J1.9 J1.11 3.95,7.63 J1.7 ; J1.10 2.15,15.23 C1.1 2.1,18.03 R1.1 ; J1.10 3.95,15.23 J1.6
N16738744: length 4
  TOP w0.2: U4.2 27.97,18.65 27.77,18.45 L2.1
N16739094: length 3.7
  TOP w0.2: U4.4 27.32,17.78 27.52,17.98 28.88,17.98 29.65,17.21 R9.2
N16741263: length 1.3
  TOP w0.2: C17.1 21.01,5.03 20.46,5.57 U2.1
N16741327: length 2.4
  TOP w0.2: R11.2 22.04,6.65 R6.1 20.75,6.65 20.67,6.57 U2.3
N16745214: length 4.6
  TOP w0.1: Y1.1 32.87,10.74 32.97,10.64 32.97,10.19 33.45,9.71 33.88,9.71 v1(34.02,9.57)
  TOP w0.2: C33.1 32.36,11.49 32.12,11.25 Y1.1
  GND w0.087: v1(34.02,9.57) 34.13,9.46 v1(34.75,9.46)
N16745238: length 3.5
  TOP w0.1: U6.E12 34.19,9.29 32.13,9.29
  TOP w0.2: C32.1 32.37,8.9 32.12,9.15 Y1.2 32.13,9.29
N16746539: length 31
  TOP w0.2: R27.2 28.1,3.71 27.75,3.71 27.62,3.85 v3(27.58,3.85) ; LD2.1 7.09,11.43 6.28,10.62 6.28,9.95 6.22,9.9 6.22,4.48 6.02,4.28 5.67,4.28 v2(5.66,4.29)
  INT1 w0.2: v3(27.58,3.85) 6.1,3.85 v2(5.66,4.29)
N16746559: length 1.7
  TOP w0.2: R27.1 29.64,3.7 29.86,3.92 Q1.3
N16760485: length 2.4
  TOP w0.2: U3.8 17.85,15.54 18.16,15.23 18.91,15.23 19.11,15.03 R7.2
N16792389: length 1.1
  TOP w0.2: U5.3 24.65,5.03 R13.2
N16823938: length 8.9
  TOP w0.1: v1(33.57,10.12) 33.61,10.16 33.61,10.8 33.12,11.29 33.12,12.82 32.86,13.07 C24.1
  TOP w0.2: C24.1 R39.2 31.16,13.07 30.58,13.66 R24.1
  GND w0.087: v1(35.55,11.06) 35.14,10.65 35.14,10.26 34.81,9.93 34.49,9.93 34.22,10.2 33.65,10.2 v1(33.57,10.12)
N16873164: length 6.4
  TOP w0.1: 36.26,4.62 35.99,4.89 35.99,6.89 v1(35.96,6.92)
  TOP w0.2: 36.26,4.62 R25.1 36.53,4.16 36.95,3.73 R38.1
  GND w0.087: v1(35.95,8.66) 36.21,8.39 36.21,7.19 36.12,7.1 36.12,7.08 v1(35.96,6.92)
N16884921: length 3.9
  TOP w0.2: v2(18.47,16.12) 18.64,15.95 R5.1 ; U3.5 v2(15.79,16.03)
  INT1 w0.2: v2(15.79,16.03) 16.74,16.03 16.84,16.12 v2(18.47,16.12)
N16885011: length 2.8
  TOP w0.2: R5.2 20.2,15.95 20.4,16.15 LD1.1
N16886357: length 39.1
  TOP w0.1: 31.72,7.19 32.16,7.64 33.17,7.64 33.89,8.36 v1(34.03,8.36)
  TOP w0.2: 31.72,7.19 31.72,7.1 30.19,5.57 29.69,5.57 29.19,5.08 29.19,4.52 28.99,4.32 26.75,4.32 26.38,3.95 R41.1 26.38,3.47 26.18,3.27 18.13,3.27 16.23,5.18 v2(12.17,5.18) ; PB3.4 v2(5.22,4.78)
  TOP w0.3: PB3.3 PB3.4
  GND w0.087: v1(34.75,9.06) 34.05,8.36 v1(34.03,8.36)
  BOTTOM w0.2: v2(5.22,4.78) 5.61,5.18 v2(12.17,5.18)

## Copper pours and planes (outline as drawn; the poured copper is in the pictures)
+1V8 on TOP: 27.8,17.67 28.8,17.67 28.8,16.66 28.75,16.63 28.23,16.12 27.77,16.12 27.43,15.94 27.43,15.51 27.36,15.44 26.73,14.81 26.73,14.81 26.73,13.83 26.75,13.69 26.75,13.24 28.08,13.24 28.08,12.34 29.11,11.31 29.11,10.51 27.31,10.51 27.31,11.31 26.75,11.59 25.75,11.59 25.75,13.69 26.11,14.04 26.11,14.81 25.35,15.58 22.77,15.58 22.77,16.59 26.48,16.58 27.5,16.58 27.8,16.88 27.8,17.49 27.8,17.49
+3V3 on TOP: 28.42,19.81 31.03,19.81 31.03,18.3 31.2,18.12 31.2,17.86 31.2,17.86 31.2,16.68 31.2,16.16 31.2,16.15 30.4,16.15 30.4,16.16 30.4,17.15 30.57,17.33 30.57,18.52 30.41,18.68 29.43,18.68 29.39,18.7 28.42,18.7
+3V3_OUT on TOP: 19.79,7.69 19.79,6.95 20.85,6.95 20.97,7.08 22.03,7.08 22.03,7.07 22.65,7.07 22.65,7.69 22.03,7.69 22.03,9.31 20.5,9.31 20.5,7.69
+3V3_OUT on TOP: 12.38,4.82 12.38,2.33 16.08,2.33 16.08,4.82
+3V3_OUT on POWER: 12.03,9.31 22.03,9.31 22.03,2.32 10.78,2.32 9.99,1.68 9.8,0.5 7.81,0.5 7.81,3.02 12.03,4.44
+3V3_USB on TOP: 28.13,6.63 28.13,7.5 28.41,7.78 28.41,8.4 30.11,8.4 30.11,7.6 29.13,6.63
+VBAT on TOP: 14.6,22.36 16.69,22.36 17.31,21.74 17.31,20.79 17.31,20.79 17.31,19.64 17,19.64 17,18.56 16.25,18.56 16.25,18.1 16.25,12.69 15.68,12.12 13.57,12.12 13.38,12.12 12.03,13.66 11.03,13.66 11.03,17.16 14.66,20.79 14.6,20.79
+VBAT on POWER: 14.6,22.36 16.69,22.36 17.5,21.55 17.5,18.95 16.25,17.71 16.25,12.12 13.57,12.12 13.38,12.12 2.42,12.12 2.42,22.35 14.6,22.35
+VIN on TOP: 10.42,9.95 12.93,9.95 12.93,8.33 12.14,8.33 11.85,8.05 11.85,2.6 12.5,2.03 12.49,0.5 10.48,0.5 10.48,1.97 9.7,2.75 9.7,9.22
+VIN on POWER: 9.7,9.31 11.85,9.31 11.85,5.55 11.86,4.6 10.23,3.98 9.7,3.98
GND on TOP: 12.31,8.2 12.31,5.52 16.55,5.52 16.99,5.95 17.59,5.95 17.9,5.64 17.9,4.06 19.48,4.06 19.48,9.27 18.95,10.08 18.45,10.08 17.9,9.35 17.9,6.51 17.59,6.19 16.71,6.19 16.08,7.27 14.6,7.27 14.6,9.71 13.6,9.71 13.6,8.4 13.4,8.2
GND on TOP: 4.45,22.36 13.45,22.36 13.45,12.34 4.45,12.34
GND on TOP: 24.42,10.47 23.82,10.47 23.82,11.49 22.2,13.1 21.47,13.1 21.47,14.91 25.83,14.91 25.83,14.19 25.15,13.69 25.15,10.61 25.63,10.14 25.86,10.14 25.86,9.88 25.01,9.88
GND on TOP: 26.9,6.43 26.9,5.7 23.31,5.7 23.31,6.43
GND on TOP: 19.55,17.83 18.34,17.83 17.82,18.35 16.37,18.35 16.37,16.6 16.61,16.5 16.7,16.4 16.7,15.66 16.35,15.31 16.35,14.2 18.03,14.2 18.22,14.39 18.68,14.39 18.68,14.81 17.87,14.81 17,15.66 17,16.4 17.2,16.6 18.8,16.6 19.05,16.83 19.55,16.83
GND on BOTTOM: 43.33,22.36 48.26,22.36 49.7,21.76 50.3,20.32 50.3,2.54 49.7,1.1 48.26,0.5 45.63,0.5 45.63,2.52 40.95,2.52 40.95,2.26 39.83,2.26 39.8,2.25 39.78,2.22 39.76,2.11 39.77,2.08 39.79,2.07 40.14,1.74 40.27,1.27 40.27,1.22 40.26,1.16 40.27,1.13 40.36,1.06 40.39,1.06 40.4,1.06 40.5,1.09 40.59,1.1 40.69,1.1 40.78,1.09 40.88,1.06 40.89,1.06 40.92,1.06 40.95,1.09 40.95,0.5 16.45,0.5 16.45,2.52 11.34,2.52 11.34,0.5 2.54,0.5 1.1,1.1 0.5,2.54 0.5,20.32 1.1,21.76 2.54,22.36 15.67,22.36 15.67,20.28 20.73,20.28 20.73,22.36 21.25,22.36 21.25,20.74 43.33,20.74 ; 12 cut-outs
GND on GND: 0.5,20.32 1.1,21.76 2.54,22.36 48.26,22.36 49.7,21.76 50.3,20.32 50.3,2.54 49.7,1.1 48.26,0.5 2.54,0.5 1.1,1.1 0.5,2.54
GND on INT1: 0.5,20.32 1.1,21.76 2.54,22.36 48.26,22.36 49.7,21.76 50.3,20.32 50.3,2.54 49.7,1.1 48.26,0.5 2.54,0.5 1.1,1.1 0.5,2.54 ; 29 cut-outs
GND on INT2: 0.5,20.32 1.1,21.76 2.54,22.36 30.11,22.36 30.11,3.97 30.11,4.32 30.09,4.34 30.08,4.35 30.05,4.35 30.02,4.34 29.66,3.97 20.87,3.97 20.87,3.37 20.02,3.37 20.68,4.03 20.75,4.07 20.83,4.09 22.3,4.09 22.33,4.09 22.35,4.11 22.4,4.19 22.4,4.22 22.37,4.3 22.37,4.36 22.67,4.66 22.97,4.36 22.96,4.3 22.93,4.22 22.93,4.19 22.99,4.11 23.01,4.09 23.03,4.09 24.96,4.09 24.98,4.09 25,4.11 25.06,4.19 25.06,4.22 25.03,4.29 25.03,4.36 25.35,4.68 25.68,4.36 25.67,4.29 25.65,4.22 25.65,4.19 25.7,4.11 25.72,4.09 25.74,4.09 27.96,4.09 27.98,4.09 27.99,4.1 28.45,4.56 28.46,4.59 28.45,4.63 28.44,4.64 28.42,4.64 28.37,4.64 26.15,4.64 26.1,4.62 26.06,4.62 25.9,4.68 25.84,4.84 25.84,4.88 25.83,4.9 25.77,4.97 25.76,4.98 25.74,4.99 21.48,4.99 21.46,4.98 21.45,4.97 19.38,2.9 19.31,2.86 19.24,2.84 17.41,2.84 17.39,2.84 17.37,2.83 16.81,2.27 16.8,2.25 16.8,2.23 16.82,2.13 16.83,2.11 16.85,2.11 17.26,1.77 17.41,1.27 17.33,0.9 17.1,0.59 17.09,0.58 17.08,0.56 17.08,0.55 17.1,0.52 17.13,0.5 17.23,0.5 17.29,0.54 17.33,0.55 18.23,0.55 18.27,0.54 18.33,0.5 18.43,0.5 18.46,0.52 18.48,0.55 18.48,0.56 18.47,0.58 18.46,0.59 18.23,0.9 18.15,1.27 18.34,1.82 18.83,2.14 18.85,2.15 18.86,2.18 18.88,2.22 18.91,2.26 19.93,3.27 19.93,2.67 19.36,2.67 19.36,0.5 2.54,0.5 1.1,1.1 0.5,2.54 ; 5 cut-outs
GND on INT2: 44.38,22.36 48.26,22.36 49.7,21.76 50.3,20.32 50.3,2.54 49.7,1.1 48.26,0.5 44.29,0.5 44.29,2.13 41.57,2.13 41.57,0.5 40.95,0.5 40.95,1.66 41.4,1.66 41.4,3.74 40.95,3.74 40.95,4.74 42.35,4.74 42.35,12.2 43,12.2 43,13.81 44.2,13.81 44.2,14.24 44.38,14.24 ; 1 cut-out
GND on INT2: 31.46,8.66 31.46,5.02 40.39,5.02 40.39,8.66 ; 2 cut-outs
+VIO on TOP: 33.28,17.73 34.98,17.73 35.27,17.44 35.27,15.48 34.67,15.48 34.67,17.13 34.55,17.24 33.42,17.24 31.65,15.48 31.65,15 31.2,14.55 30.63,14.55 30.4,14.55 28.08,13.84 27.28,13.84 27.28,14.84 28.38,14.84 30.32,15.55 30.39,15.55 31.2,15.55 31.48,15.84 31.48,15.93
+VMAIN on TOP: 21.47,11.35 23.27,11.35 23.82,10.19 24.44,10.19 24.44,10 25.87,9.72 25.87,9.48 24.85,9.05 24.85,8.59 24.43,8.59 22.97,9.09 22.97,9.09 22.79,9.05 22.58,9.1 22.41,9.22 22.33,9.36 22.29,9.55 21.47,10.2
+VMAIN on TOP: 6.61,8.11 6.61,10.41 8.1,11.13 8.1,11.73 8.7,12.01 16.48,12.01 16.48,9.99 16.2,9.7 16.2,8.41 16.99,7.69 17.59,7.69 17.59,6.95 16.84,6.95 16.19,7.61 15.2,7.61 15.2,9.71 14.7,10.05 9.41,10.05 9.41,8.11
+VMAIN on POWER: 6.61,7.61 6.61,12.01 16.48,12.01 16.48,9.84 16.2,9.56 15.2,9.56 14.84,9.91 9.41,9.91 9.41,7.61
+VUSB on TOP: 21.17,22.44 22.01,22.44 22.4,22.05 22.4,20.56 20.7,18.86 20.7,18.86 20.11,18.86 20.05,18.8 19.72,18.44 19.68,18.44 18.96,18.44 18.61,18.43 18.49,18.55 17.2,18.55 17.2,19.3 18.48,19.3 18.61,19.43 19.15,19.43 20.67,20.95 20.67,21.94
+VUSB on TOP: 5.98,12.53 4.15,12.53 4.15,12.93 5.97,12.93 6.38,13.34 12.07,13.34 12.47,12.94 12.47,12.12 6.39,12.12
+VUSB on TOP: 25.37,6.56 23.97,6.56 23.93,6.6 23.31,6.6 23.31,7.22 24.23,7.22 24.43,7.02 25.23,7.02 25.43,7.23 26.43,7.23 26.43,6.63 25.44,6.63
N16738898 on TOP: 29.11,9.72 29.11,8.92 26.71,8.92 26.05,9.52 26.02,9.56 26.01,9.61 26.02,9.67 26.05,9.7 26.09,9.73 26.14,9.74 29.09,9.74
N16741439 on TOP: 19.37,13.28 20.37,13.28 20.37,8.71 20.39,8.69 20.39,7.95 19.79,7.95 19.79,9.66 19.37,9.88
N16741447 on TOP: 16.99,13.28 18,13.28 18,9.88 17.59,9.51 17.59,7.95 16.99,7.95
+VIO on POWER: 29.66,22.36 48.26,22.36 49.7,21.76 50.3,20.32 50.3,2.54 49.7,1.1 48.26,0.5 29.66,0.5 ; 1 cut-out

Small or netless copper shapes (teardrops, artwork), in the pictures only: 22 on TOP, 8 on INT1, 2 on INT2

## Text on the board
BOTTOM: 20210248_V7
Ref Des/Silkscreen Bottom: QCS | QIO2 | QCLK | QIO3 | RX0 | QIO0 | SCL3 | QIO1 | TX0 | SDA3 | DM | DP | RST# | 3V3 | VIN | GND | CS | BAT | A0 | D0 | RX2 | EN | A1 | TX2 | D1 | A2 | USB | RTS2 | D2 | A3 | D13 | CTS2 | D3 | A4 | D12 | TX3 | D4 | A5 | D11 | RX3 | A6 | SCK | D10 | RTS3 | A7 | MOSI | D9 | D14 | CTS3 | D6 | MISO | D15 | D8 | RX | D5 | D7 | RTS | TX | SCL | CTS | SCL2 | SDA | B | SDA2 | QEN | 3.0 | SWAN
Ref Des/Silkscreen Top: USER | RST | 3V3 | VIN | GND | A0 | A1 | A2 | A3 | A4 | A5 | CK | MO | MI | RX | TX | B | BAT | EN | USB | D13 | D12 | D11 | D10 | D9 | D6 | D5 | SCL | SDA | CHG | BOOT
XSECTION_CHART: *  SURFACE - AIR 0 MM | * SOLDERMASK_TOP MASK - SOLDERMASK 0.02 MM | L1 TOP CONDUCTOR - COPPER 0.035 MM | *  DIELECTRIC - FR-4 0.08 MM | L2 GND PLANE - COPPER 0.018 MM | L3 INT1 CONDUCTOR - COPPER 0.018 MM | *  DIELECTRIC - FR-4 1.13 MM | L4 INT2 CONDUCTOR - COPPER 0.018 MM | L5 POWER PLANE - COPPER 0.018 MM | L6 BOTTOM CONDUCTOR - COPPER 0.035 MM | * SOLDERMASK_BOTTOM MASK - SOLDERMASK 0.02 MM | DESIGN CROSS SECTION CHART | ___________________________ | TOTAL THICKNESS 1.632 MM | 1-6 | 1-2 | 2-5 | 2-3
PAGE_OUTLINE: 90 ohm | 17/02/2022
User.9: Put PCB data code and/or manufacturer logo | on Bottom Side
User.17: FIGURE | FINISHED SIZE | 0.2 | 0.3 | 0.5 | 1.0 | ALL UNITS ARE IN MILLIMETERS | TOLERANCE | +0.075/-0.075 | TYPE | PLATED | QTY | 60 | 10 | 69 | 11 | 17 | DRILL CHART: TOP to BOTTOM
User.21: FIGURE | FINISHED SIZE | 0.1 | ALL UNITS ARE IN MILLIMETERS | TOLERANCE | +0.075/-0.075 | TYPE | PLATED | QTY | 215 | DRILL CHART: TOP to GND
User.23: FIGURE | FINISHED SIZE | 0.2 | ALL UNITS ARE IN MILLIMETERS | TOLERANCE | +0.075/-0.075 | TYPE | PLATED | QTY | 71 | DRILL CHART: GND to POWER
User.25: FIGURE | FINISHED SIZE | 0.1 | ALL UNITS ARE IN MILLIMETERS | TOLERANCE | +0.075/-0.075 | TYPE | PLATED | QTY | 79 | DRILL CHART: GND to INT1
